# Altium PCB Digitalizador_RPi.PcbDoc (part 3 of 3) (continued)
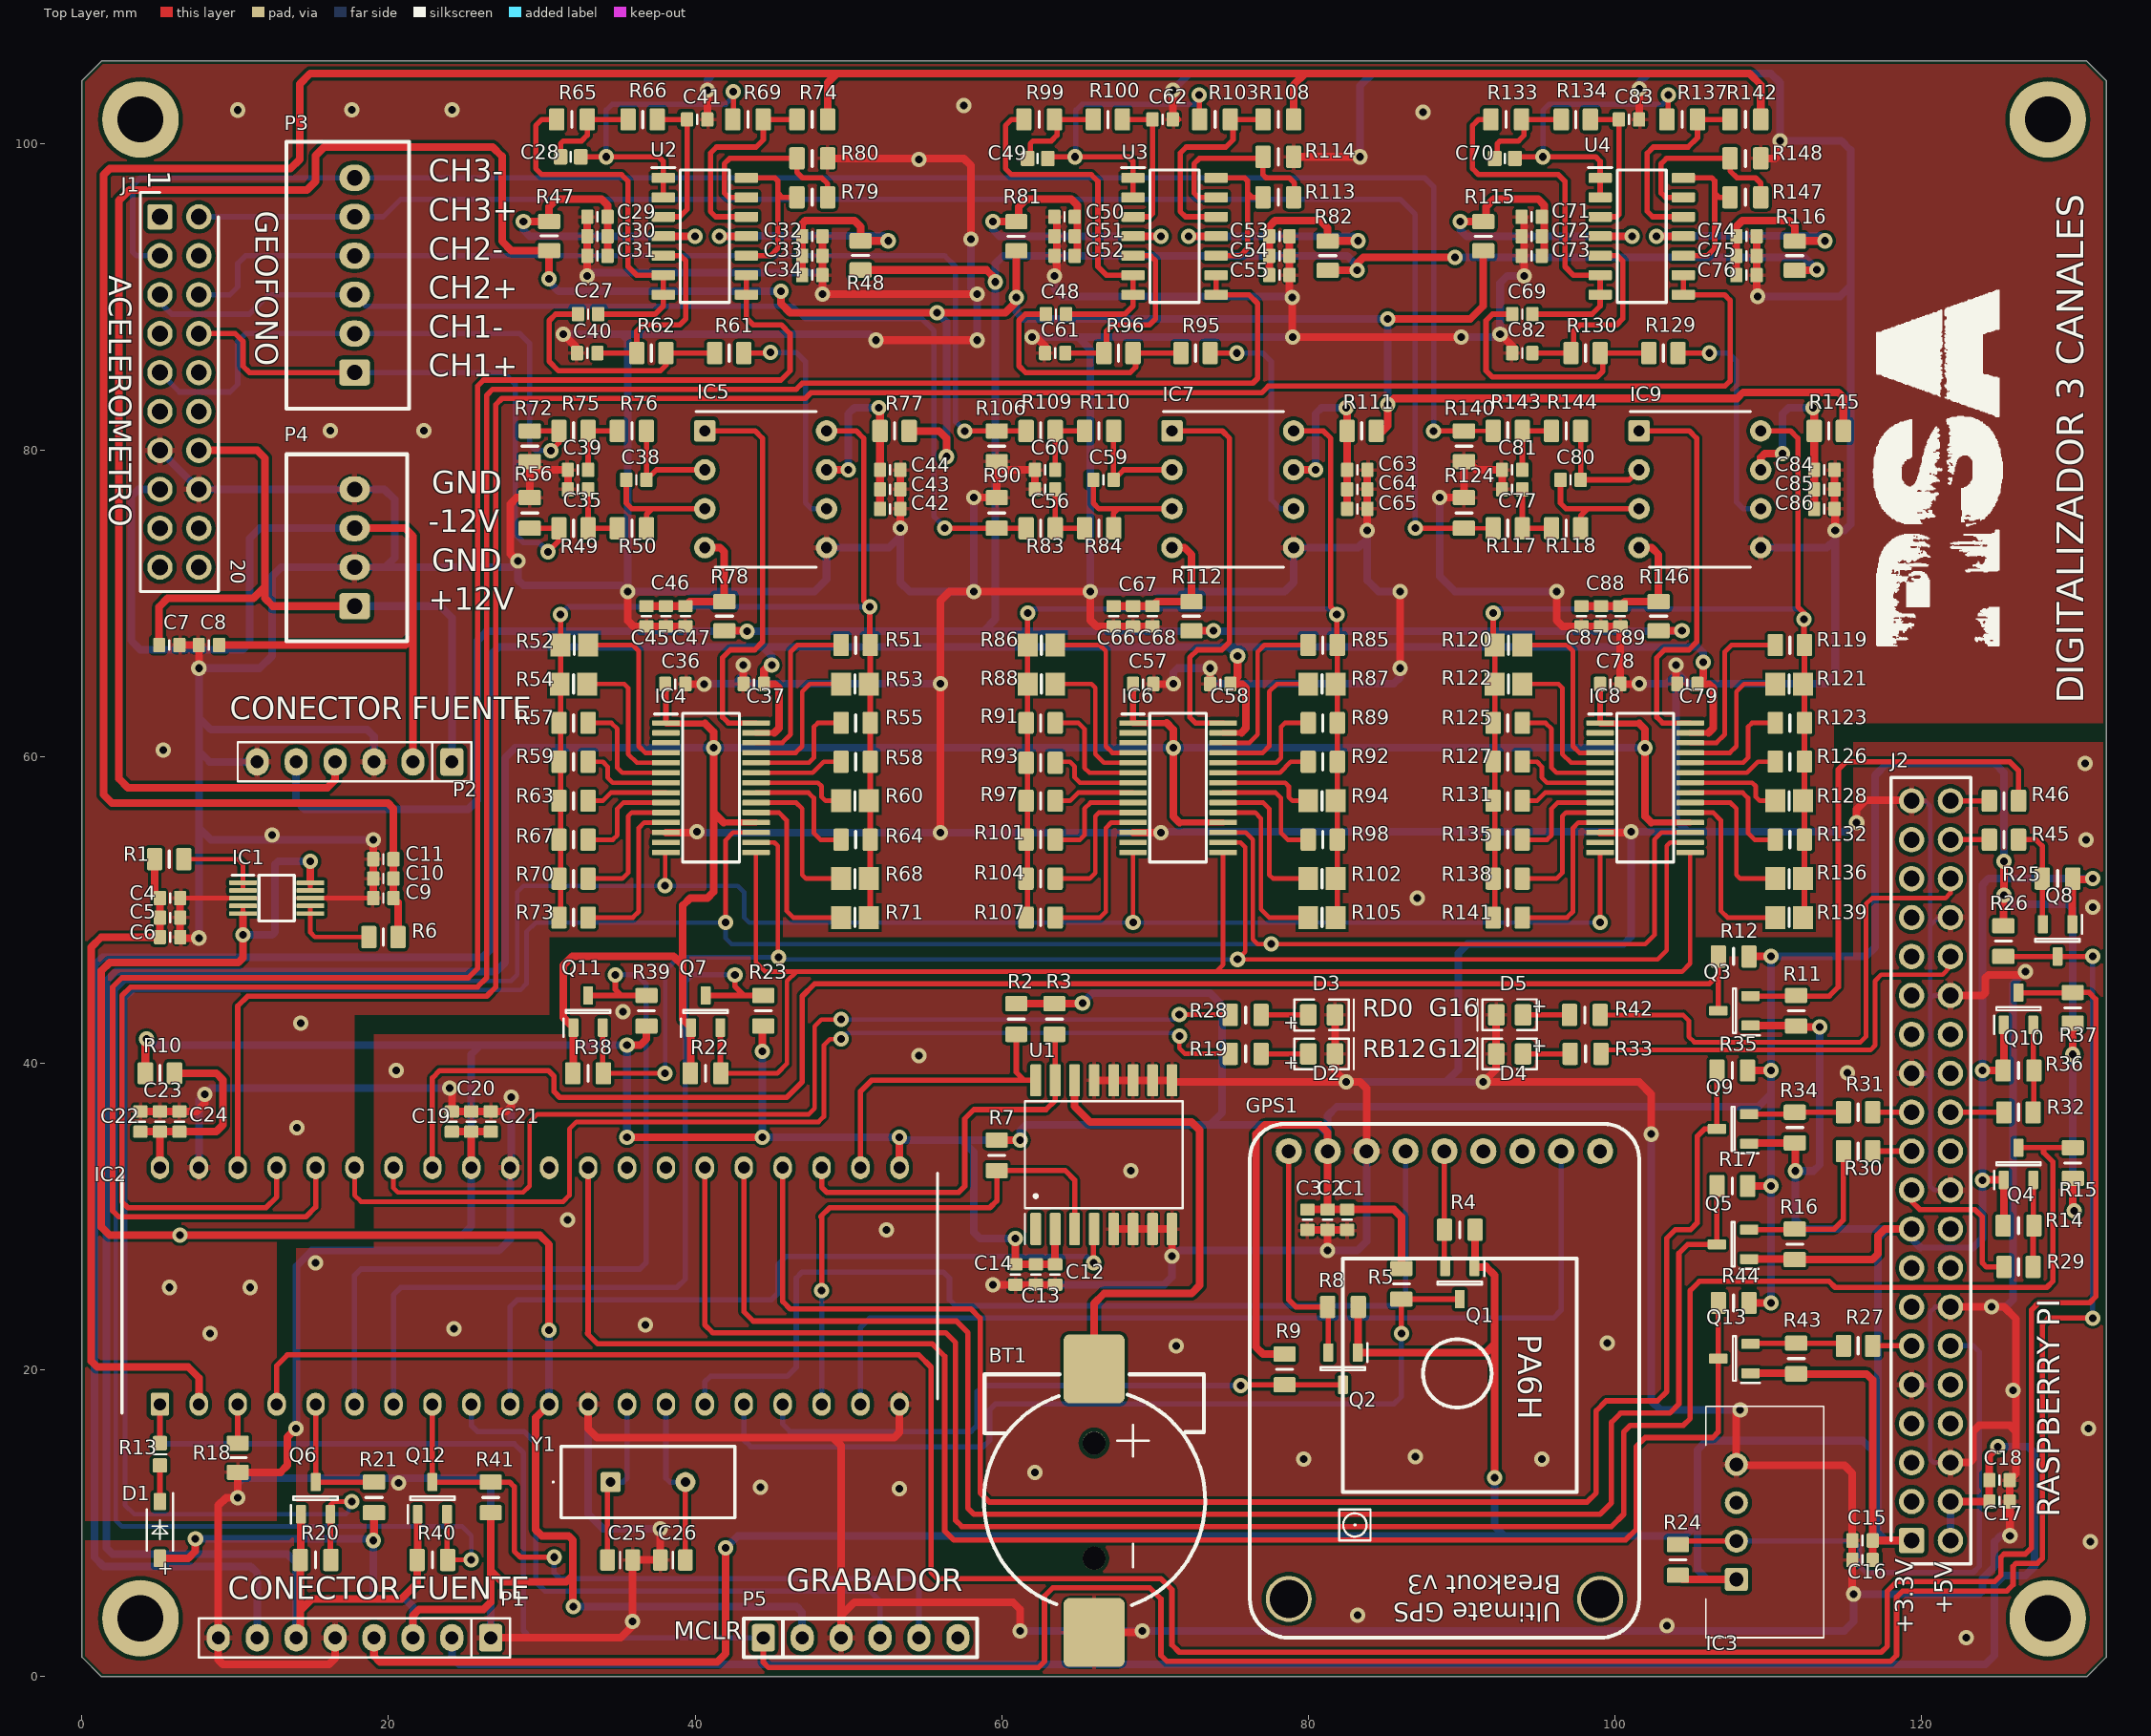
[diagram p0: Top Layer view]
## Nets (pads, with @x,y where several pads share a name; then routed paths per layer and width w, separated by ;. In a path a pad name is that pad's centre, name@x,y a point inside that pad or via, vN(x,y) a via of type N, cw(c..) or ccw(c..) an arc to the next point about the centre after c; other vN are vias at no path point) (continued)
  Top Layer w0.35: C70.2@93.672,99.162 v1(95.332,99.162) 98.77,99.162 99.06,98.872 U4.1@99.06,97.79 U4.2@99.06,96.52 ; v1(103.5,103.2) 103.5,101.682 103.532,101.65 R137.1@103.582,101.6
  Bottom Layer w0.35: v1(95.332,99.162) 95.332,102.2 95.732,102.6 103.132,102.6 103.5,102.968 v1(103.5,103.2)
NetC77_2: C77.2 R117.2 R118.1 | length 4.4
  Top Layer w0.35: C77.2@93.98,77.47 R117.2@93.98,74.93 R118.1@95.89,74.93
NetC81_1: C81.1 R143.2 R144.1 | length 4.4
  Top Layer w0.35: C81.1@93.98,78.74 R143.2@93.98,81.28 R144.1@95.89,81.28
NetC82_1: C82.1 R130.2 U4.5 | length 12.9
  Top Layer w0.35: C82.1@94.762,86.36 97.332,86.36 97.332,87.8 97.732,88.2 100.132,88.2 100.532,88.6 100.532,92.37 100.192,92.71 U4.5@99.06,92.71
NetC83_1: C83.1 R134.2 U4.3 | length 9.1
  Top Layer w0.35: R134.2@98.666,101.6 C83.1@100.28,101.6 100.28,95.398 100.132,95.25 U4.3@99.06,95.25
NetD1_1: D1.1 R13.2 | length 2.4
  Top Layer w0.35: D1.1@5.08,11.43 R13.2@5.08,13.79
NetD2_2: D2.2 R19.2 | length 3.1
  Top Layer w0.35: R19.2@76.93,40.64 D2.2@80.01,40.64
NetD3_2: D3.2 R28.2 | length 3.1
  Top Layer w0.35: R28.2@76.93,43.18 D3.2@80.01,43.18
NetD4_2: D4.2 R33.2 | length 3.1
  Top Layer w0.35: D4.2@94.03,40.64 R33.2@97.11,40.64
NetD5_2: D5.2 R42.2 | length 3
  Top Layer w0.35: D5.2@94.03,43.18 R42.2@97.06,43.18
NetIC1_1: IC1.1 IC1.2 R1.2 | length 5.7
  Top Layer w0.3: R1.2@6.64,53.34 10.16,53.34 10.5,53 IC1.1@10.5,51.8 IC1.2@10.5,51.3
NetIC1_6: IC1.6 IC1.7 R6.1 | length 5.7
  Top Layer w0.3: IC1.7@14.9,50.3 IC1.6@14.9,49.8 14.9,48.56 15.2,48.26 R6.1@18.71,48.26
NetIC2_3: IC2.3 R18.2 | length 2.5
  Top Layer w0.35: R18.2@10.16,15.24 IC2.3@10.16,17.78
NetIC2_34: IC2.34 R28.1 | length 66.1
  Top Layer w0.3: IC2.34@20.32,33.21 20.32,31.89 20.61,31.6 28.78,31.6 29.2,32.02 29.2,36.2 29.7,36.7 47.42,36.7 47.8,37.08 47.8,42.44 48.24,42.88 v1@49.15,42.88 ; v1(71.6,43.2) 74.91,43.2 R28.1@74.93,43.18
  Bottom Layer w0.3: v1(49.53,42.88) 71.28,42.88 v1(71.6,43.2)
NetIC2_35: IC2.35 R19.1 | length 70
  Top Layer w0.3: IC2.35@17.78,33.21 17.78,31.42 18.2,31 31.4,31 31.8,31.4 31.8,35.74 32.26,36.2 48.06,36.2 48.4,36.54 48.4,41.2 48.8,41.6 v1(49.53,41.6) ; v1(71.604,41.8) 71.604,41 71.964,40.64 R19.1@74.93,40.64
  Bottom Layer w0.3: v1(49.53,41.6) 49.93,42 71.404,42 v1(71.604,41.8)
NetIC3_2: IC3.2 J2.12 R24.1 | length 37.5
  Top Layer w0.35: R24.1@104.14,8.62 104.37,8.85 IC3.2@107.95,8.85
  Bottom Layer w0.35: IC3.2@107.95,8.85 115.55,8.85 116,8.4 116,7.2 116.4,6.8 123.4,6.8 123.8,7.2 123.8,21.2 123.41,21.59 J2.12@121.92,21.59
NetIC4_4: IC4.4 R52.2 | length 11.6
  Top Layer w0.3: R52.2@33.02,67.31 35.93,67.31 36.322,66.918 36.322,60.706 36.748,60.28 IC4.4@38.1,60.28
NetIC4_5: IC4.5 R54.2 | length 9.8
  Top Layer w0.3: R54.2@32.97,64.77 35.38,64.77 35.634,64.516 35.634,60.198 36.202,59.63 IC4.5@38.1,59.63
NetIC4_6: IC4.6 R57.2 | length 7.9
  Top Layer w0.3: R57.2@33.02,62.23 34.544,62.23 34.93,61.844 34.93,59.304 35.254,58.98 IC4.6@38.1,58.98
NetIC4_7: IC4.7 R59.2 | length 6.1
  Top Layer w0.3: R59.2@33.02,59.69 33.986,59.69 34.29,59.386 34.29,58.674 34.634,58.33 IC4.7@38.1,58.33
NetIC4_8: IC4.8 R63.2 | length 5.3
  Top Layer w0.3: R63.2@33.02,57.15 33.982,57.15 34.512,57.68 IC4.8@38.1,57.68
NetIC4_9: IC4.9 R67.2 | length 7.1
  Top Layer w0.3: R67.2@33.02,54.61 34.634,54.61 34.93,54.906 34.93,56.642 35.318,57.03 IC4.9@38.1,57.03
NetIC4_10: IC4.10 R70.2 | length 9
  Top Layer w0.3: R70.2@33.02,52.07 35.254,52.07 35.634,52.45 35.634,56.134 35.88,56.38 IC4.10@38.1,56.38
NetIC4_11: IC4.11 R73.2 | length 10.9
  Top Layer w0.3: R73.2@33.02,49.53 35.946,49.53 36.322,49.906 36.322,55.372 36.68,55.73 IC4.11@38.1,55.73
NetIC4_19: IC4.19 R71.1 | length 11.9
  Top Layer w0.3: IC4.19@43.976,56.38 45.474,56.38 45.974,55.88 45.974,49.97 46.414,49.53 R71.1@49.53,49.53
NetIC4_20: IC4.20 R68.1 | length 10.1
  Top Layer w0.3: IC4.20@43.976,57.03 46.602,57.03 46.99,56.642 46.99,52.324 47.244,52.07 R68.1@49.53,52.07
NetIC4_21: IC4.21 R64.1 | length 8.2
  Top Layer w0.3: IC4.21@43.976,57.68 47.406,57.68 47.752,57.334 47.752,55.044 48.186,54.61 R64.1@49.53,54.61
NetIC4_22: IC4.22 R60.1 | length 6.4
  Top Layer w0.3: IC4.22@43.976,58.33 48.022,58.33 48.26,58.092 48.26,57.404 48.514,57.15 R60.1@49.53,57.15
NetIC4_23: IC4.23 R58.1 | length 5.8
  Top Layer w0.3: IC4.23@43.976,58.98 47.682,58.98 48.392,59.69 R58.1@49.53,59.69
NetIC4_24: IC4.24 R55.1 | length 7.8
  Top Layer w0.3: IC4.24@43.976,59.63 47.438,59.63 47.752,59.944 47.752,61.976 48.006,62.23 R55.1@49.53,62.23
NetIC4_25: IC4.25 R53.1 | length 9.5
  Top Layer w0.3: IC4.25@43.976,60.28 46.564,60.28 46.99,60.706 46.99,64.262 47.498,64.77 R53.1@49.53,64.77
NetIC4_26: IC4.26 R51.1 | length 11.4
  Top Layer w0.3: IC4.26@43.976,60.93 45.69,60.93 46.228,61.468 46.228,66.87 46.668,67.31 R51.1@49.53,67.31
NetIC5_6: IC5.6 R61.1 | length 15
  Top Layer w0.35: R61.1@43.18,86.36 v1@44.91,86.36
  Bottom Layer w0.35: v1(44.91,86.4) 46.6,86.4 47.2,85.8 47.2,76.6 47.6,76.2 IC5.6@48.58,76.2
NetIC6_4: IC6.4 R86.2 | length 11.6
  Top Layer w0.3: R86.2@63.5,67.31 66.41,67.31 66.802,66.918 66.802,60.706 67.228,60.28 IC6.4@68.58,60.28
NetIC6_5: IC6.5 R88.2 | length 9.8
  Top Layer w0.3: R88.2@63.45,64.77 65.86,64.77 66.114,64.516 66.114,60.198 66.682,59.63 IC6.5@68.58,59.63
NetIC6_6: IC6.6 R91.2 | length 7.9
  Top Layer w0.3: R91.2@63.5,62.23 65.024,62.23 65.41,61.844 65.41,59.304 65.734,58.98 IC6.6@68.58,58.98
NetIC6_7: IC6.7 R93.2 | length 6.1
  Top Layer w0.3: R93.2@63.5,59.69 64.466,59.69 64.77,59.386 64.77,58.674 65.114,58.33 IC6.7@68.58,58.33
NetIC6_8: IC6.8 R97.2 | length 5.3
  Top Layer w0.3: R97.2@63.5,57.15 64.462,57.15 64.992,57.68 IC6.8@68.58,57.68
NetIC6_9: IC6.9 R101.2 | length 7.1
  Top Layer w0.3: R101.2@63.5,54.61 65.114,54.61 65.41,54.906 65.41,56.642 65.798,57.03 IC6.9@68.58,57.03
NetIC6_10: IC6.10 R104.2 | length 9
  Top Layer w0.3: R104.2@63.5,52.07 65.734,52.07 66.114,52.45 66.114,56.134 66.36,56.38 IC6.10@68.58,56.38
NetIC6_11: IC6.11 R107.2 | length 10.9
  Top Layer w0.3: R107.2@63.5,49.53 66.426,49.53 66.802,49.906 66.802,55.372 67.16,55.73 IC6.11@68.58,55.73
NetIC6_19: IC6.19 R105.1 | length 11.9
  Top Layer w0.3: IC6.19@74.456,56.38 76.55,56.38 76.93,56 76.93,50.07 77.47,49.53 R105.1@80.01,49.53
NetIC6_20: IC6.20 R102.1 | length 10.1
  Top Layer w0.3: IC6.20@74.456,57.03 77.082,57.03 77.47,56.642 77.47,52.324 77.724,52.07 R102.1@80.01,52.07
NetIC6_21: IC6.21 R98.1 | length 8.2
  Top Layer w0.3: IC6.21@74.456,57.68 77.886,57.68 78.232,57.334 78.232,55.044 78.666,54.61 R98.1@80.01,54.61
NetIC6_22: IC6.22 R94.1 | length 6.4
  Top Layer w0.3: IC6.22@74.456,58.33 78.502,58.33 78.74,58.092 78.74,57.404 78.994,57.15 R94.1@80.01,57.15
NetIC6_23: IC6.23 R92.1 | length 5.8
  Top Layer w0.3: IC6.23@74.456,58.98 78.162,58.98 78.872,59.69 R92.1@80.01,59.69
NetIC6_24: IC6.24 R89.1 | length 7.8
  Top Layer w0.3: IC6.24@74.456,59.63 77.918,59.63 78.232,59.944 78.232,61.976 78.486,62.23 R89.1@80.01,62.23
NetIC6_25: IC6.25 R87.1 | length 9.5
  Top Layer w0.3: IC6.25@74.456,60.28 77.044,60.28 77.47,60.706 77.47,64.262 77.978,64.77 R87.1@80.01,64.77
NetIC6_26: IC6.26 R85.1 | length 11.4
  Top Layer w0.3: IC6.26@74.456,60.93 76.17,60.93 76.708,61.468 76.708,66.87 77.148,67.31 R85.1@80.01,67.31
NetIC7_6: IC7.6 R95.1 | length 14.7
  Top Layer w0.35: R95.1@73.832,86.36 v1(75.362,86.36)
  Bottom Layer w0.35: v1(75.362,86.36) 77.04,86.36 77.6,85.8 77.6,76.8 78.2,76.2 IC7.6@79.06,76.2
NetIC8_4: IC8.4 R120.2 | length 11.6
  Top Layer w0.3: R120.2@93.98,67.31 96.89,67.31 97.282,66.918 97.282,60.706 97.708,60.28 IC8.4@99.06,60.28
NetIC8_5: IC8.5 R122.2 | length 9.8
  Top Layer w0.3: R122.2@93.93,64.77 96.34,64.77 96.594,64.516 96.594,60.198 97.162,59.63 IC8.5@99.06,59.63
NetIC8_6: IC8.6 R125.2 | length 7.9
  Top Layer w0.3: R125.2@93.98,62.23 95.504,62.23 95.89,61.844 95.89,59.304 96.214,58.98 IC8.6@99.06,58.98
NetIC8_7: IC8.7 R127.2 | length 6.1
  Top Layer w0.3: R127.2@93.98,59.69 94.946,59.69 95.25,59.386 95.25,58.674 95.594,58.33 IC8.7@99.06,58.33
NetIC8_8: IC8.8 R131.2 | length 5.3
  Top Layer w0.3: R131.2@93.98,57.15 94.942,57.15 95.472,57.68 IC8.8@99.06,57.68
NetIC8_9: IC8.9 R135.2 | length 7.1
  Top Layer w0.3: R135.2@93.98,54.61 95.594,54.61 95.89,54.906 95.89,56.642 96.278,57.03 IC8.9@99.06,57.03
NetIC8_10: IC8.10 R138.2 | length 9
  Top Layer w0.3: R138.2@93.98,52.07 96.214,52.07 96.594,52.45 96.594,56.134 96.84,56.38 IC8.10@99.06,56.38
NetIC8_11: IC8.11 R141.2 | length 10.9
  Top Layer w0.3: R141.2@93.98,49.53 96.906,49.53 97.282,49.906 97.282,55.372 97.64,55.73 IC8.11@99.06,55.73
NetIC8_19: IC8.19 R139.1 | length 11.9
  Top Layer w0.3: IC8.19@104.936,56.38 106.434,56.38 106.934,55.88 106.934,49.97 107.374,49.53 R139.1@110.49,49.53
NetIC8_20: IC8.20 R136.1 | length 10.1
  Top Layer w0.3: IC8.20@104.936,57.03 107.562,57.03 107.95,56.642 107.95,52.324 108.204,52.07 R136.1@110.49,52.07
NetIC8_21: IC8.21 R132.1 | length 8.2
  Top Layer w0.3: IC8.21@104.936,57.68 108.366,57.68 108.712,57.334 108.712,55.044 109.146,54.61 R132.1@110.49,54.61
NetIC8_22: IC8.22 R128.1 | length 6.4
  Top Layer w0.3: IC8.22@104.936,58.33 108.982,58.33 109.22,58.092 109.22,57.404 109.474,57.15 R128.1@110.49,57.15
NetIC8_23: IC8.23 R126.1 | length 5.8
  Top Layer w0.3: IC8.23@104.936,58.98 108.642,58.98 109.352,59.69 R126.1@110.49,59.69
NetIC8_24: IC8.24 R123.1 | length 7.8
  Top Layer w0.3: IC8.24@104.936,59.63 108.398,59.63 108.712,59.944 108.712,61.976 108.966,62.23 R123.1@110.49,62.23
NetIC8_25: IC8.25 R121.1 | length 9.5
  Top Layer w0.3: IC8.25@104.936,60.28 107.524,60.28 107.95,60.706 107.95,64.262 108.458,64.77 R121.1@110.49,64.77
NetIC8_26: IC8.26 R119.1 | length 11.4
  Top Layer w0.3: IC8.26@104.936,60.93 106.65,60.93 107.188,61.468 107.188,66.87 107.628,67.31 R119.1@110.49,67.31
NetIC9_6: IC9.6 R129.1 | length 14.8
  Top Layer w0.35: R129.1@104.312,86.36 v1(106.2,86.36)
  Bottom Layer w0.35: v1(106.2,86.36) 107.44,86.36 107.95,85.85 107.95,76.65 108.4,76.2 IC9.6@109.54,76.2
NetJ2_11: J2.11 R27.2 | length 2.5
  Top Layer w0.35: R27.2@116.84,21.59 J2.11@119.38,21.59
NetJ2_19: J2.19 R29.2 | length 10.3
  Top Layer w0.35: J2.19@119.38,31.75 119.38,31.02 119.92,30.48 123.52,30.48 124,30 124,27 124.265,26.735 R29.2@125.41,26.735
NetJ2_21: J2.21 R30.2 | length 2.5
  Top Layer w0.35: R30.2@116.84,34.29 J2.21@119.38,34.29
NetJ2_23: J2.23 R31.2 | length 2.5
  Top Layer w0.35: R31.2@116.84,36.83 J2.23@119.38,36.83
NetJ2_24: J2.24 R32.1 | length 3.5
  Top Layer w0.35: J2.24@121.92,36.83 121.93,36.82 R32.1@125.41,36.82
NetJ2_32: J2.32 R33.1 | length 28.3
  Top Layer w0.3: R33.1@99.11,40.64 99.364,40.894 116.694,40.894 117,41.2 117,45.4 117.4,45.8 121.4,45.8 121.92,46.32 J2.32@121.92,46.99
NetJ2_36: J2.36 R42.1 | length 34.3
  Top Layer w0.3: R42.1@99.06,43.18 104.47,43.18 104.85,42.8 104.85,41.75 105.2,41.4 116.05,41.4 116.4,41.75 116.4,50.4 116.8,50.8 121.6,50.8 121.92,51.12 J2.36@121.92,52.07
NetJ2_38: J2.38 R45.1 | length 2.5
  Top Layer w0.35: J2.38@121.92,54.61 R45.1@124.46,54.61
NetJ2_40: J2.40 R46.1 | length 2.5
  Top Layer w0.35: J2.40@121.92,57.15 R46.1@124.46,57.15
NetR69_2: R69.2 R74.2 U2.12 | length 13.6
  Top Layer w0.35: U2.12@43.352,95.25 41.35,95.25 41,95.6 41,99.4 41.4,99.8 43.976,99.8 44.45,100.274 R69.2@44.45,101.6 R74.2@46.65,101.6
NetR79_1: R79.1 R80.2 U2.13 | length 12.5
  Top Layer w0.35: U2.13@43.352,96.52 42.19,96.52 41.91,96.8 41.91,98.71 42.26,99.06 R80.2@46.65,99.06 46.65,98.15 47.01,97.79 48.26,97.79 48.65,97.4 R79.1@48.65,96.52
NetR79_2: R79.2 U2.10 U2.14 | length 10.1
  Top Layer w0.35: U2.10@43.352,92.71 44.91,92.71 45.4,93.2 45.4,96.8 ; U2.14@43.352,97.79 45.21,97.79 45.4,97.6 45.4,96.8 ; R79.2@46.65,96.52 45.68,96.52 45.4,96.8
NetR103_2: R103.2 R108.2 U3.12 | length 13.6
  Top Layer w0.35: U3.12@74.004,95.25 72.002,95.25 71.652,95.6 71.652,99.4 72.052,99.8 74.628,99.8 75.102,100.274 75.102,101.6 R108.2@77.302,101.6
NetR113_1: R113.1 R114.2 U3.13 | length 12.5
  Top Layer w0.35: U3.13@74.004,96.52 72.842,96.52 72.562,96.8 72.562,98.71 72.912,99.06 77.06,99.06 77.06,98 77.27,97.79 78.772,97.79 79.111,97.451 79.111,96.711 R113.1@79.302,96.52
NetR113_2: R113.2 U3.10 U3.14 | length 10.1
  Top Layer w0.35: U3.10@74.004,92.71 75.562,92.71 76.052,93.2 76.052,96.8 ; U3.14@74.004,97.79 75.862,97.79 76.052,97.6 76.052,96.8 ; R113.2@77.302,96.52 76.332,96.52 76.052,96.8
NetR137_2: R137.2 R142.2 U4.12 | length 13.6
  Top Layer w0.35: U4.12@104.484,95.25 102.482,95.25 102.132,95.6 102.132,99.4 102.532,99.8 104.8,99.8 105.41,100.41 R137.2@105.41,101.6 R142.2@107.54,101.6 R142.2@107.782,101.6
NetR147_1: R147.1 R148.2 U4.13 | length 12.2
  Top Layer w0.35: U4.13@104.484,96.52 103.322,96.52 103.042,96.8 103.042,98.71 103.392,99.06 R148.2@107.54,99.06 107.54,98.242 107.992,97.79 109.2,97.79 109.54,97.45 R147.1@109.54,96.52
NetR147_2: R147.2 U4.10 U4.14 | length 10.1
  Top Layer w0.35: U4.10@104.484,92.71 106.042,92.71 106.532,93.2 106.532,96.8 ; U4.14@104.484,97.79 106.342,97.79 106.532,97.6 106.532,96.8 ; R147.2@107.782,96.52 106.812,96.52 106.532,96.8
OSC1: C25.2 IC2.13 Y1.1 | length 11.2
  Top Layer w0.35: C25.2@34.29,7.62 34.29,12.5 Y1.1@34.49,12.7
  Bottom Layer w0.35: Y1.1@34.49,12.7 35.306,12.7 35.56,12.954 IC2.13@35.56,17.78
OSC2: C26.2 IC2.14 Y1.2 | length 11.3
  Top Layer w0.35: C26.2@39.37,7.62 Y1.2@39.37,12.7
  Bottom Layer w0.35: IC2.14@38.1,17.78 38.1,12.954 38.354,12.7 Y1.2@39.37,12.7
PGC_A3_5V: IC2.8 P5.5 Q12.3 R41.2 | length 46.1
  Top Layer w0.35: IC2.8@22.86,17.78 Q12.3@22.86,12.7 R41.2@26.67,12.7 27.9,12.7 28.2,12.4 28.2,8.2 28.6,7.8 v1(30.8,7.8)
  Bottom Layer w0.35: v1(30.8,7.8) 30.8,6.77 31.17,6.4 54.2,6.4 54.61,5.99 P5.5@54.61,2.54
PGD: IC2.9 P5.4 | length 40.5
  Bottom Layer w0.35: IC2.9@25.4,17.78 25.4,16.4 25.8,16 28.84,16 29.6,15.24 29.6,6.2 30.2,5.6 51.4,5.6 52.07,4.93 P5.4@52.07,2.54
PIN_EXTRA_3.3V: Q3.2 R11.2 R46.2 | length 34.4
  Top Layer w0.35: Q3.2@108.87,44.41 111.81,44.41 R11.2@111.85,44.45 111.89,44.41 114.01,44.41 114.6,45 114.6,59.2 115.09,59.69 125.8,59.69 126.36,59.13 R46.2@126.36,57.15
PIN_EXTRA_5V: IC2.33 Q3.3 R12.2 | length 101.4
  Top Layer w0.35: IC2.33@22.86,33.21 22.86,39.07 23.34,39.55 30.42,39.55 30.8,39.17 30.8,38.17 31.17,37.8 45.974,37.8 46.99,38.816 46.99,44.4 47.79,45.2 106.17,45.2 106.77,45.8 ; Q3.3@106.77,43.45 106.77,45.8 ; R12.2@106.77,46.99 106.77,45.8
PPS_DS3231: IC2.18 R7.1 U1.3 | length 34.7
  Top Layer w0.35: v1(48.26,25.2) 48.26,29.96 48.2,30.02 48.78,30.6 59.236,30.6 59.69,31.054 R7.1@59.69,33.02 64.161,33.02 64.77,32.411 U1.3@64.77,29.21
  Bottom Layer w0.35: v1@48.2,25.2 48.26,25.14 IC2.18@48.26,17.78
PPS_GPS_3.3V: GPS1.0 Q2.2 R8.2 | length 15.4
  Top Layer w0.35: GPS1.0@78.74,34.29 78.74,24.59 79.2,24.13 R8.2@81.28,24.13 81.32,24.09 Q2.2@81.32,21.15
PPS_GPS_5V: IC2.17 Q2.3 R9.2 | length 40.6
  Top Layer w0.35: v1(75.6,19) 75.65,19.05 R9.2@78.47,19.05 Q2.3@82.28,19.05
  Bottom Layer w0.35: IC2.17@45.72,17.78 45.72,16.48 46.2,16 58,16 58.4,16.4 58.4,18.6 58.8,19 v1(75.6,19)
RES_1_1: IC4.28 IC5.1 | length 26.5
  Top Layer w0.35: IC5.1@40.64,81.28 43.92,81.28 44.4,80.8 44.4,67.51 43.89,67 42.31,67 41.8,66.49 41.8,62.6 42.17,62.23 IC4.28@43.976,62.23
RES_1_2: IC5.8 R51.2 R52.1 R53.2 R54.1 R55.2 R57.1 R58.2 R59.1 R60.2 R63.1 R64.2 R67.1 R68.2 R70.1 R71.2 R73.1 | length 74.3
  Top Layer w0.35: R73.1@31.12,49.53 31.22,49.63 R52.1@31.22,67.31 v1(31.22,69.3) ; IC5.8@48.58,81.28 50.52,81.28 51,80.8 51,70.2 v1(51.4,69.8) 51.4,67.34 R51.2@51.43,67.31 R55.2@51.43,62.23 R58.2@51.43,59.69 R64.2@51.43,54.61 51.43,49.63 R71.2@51.33,49.53
  Bottom Layer w0.35: v1(31.22,69.3) 31.72,69.8 v1(51.4,69.8)
RES_2_1: IC6.28 IC7.1 | length 26.5
  Top Layer w0.35: IC7.1@71.12,81.28 74.4,81.28 74.88,80.8 74.88,67.51 74.37,67 72.79,67 72.28,66.49 72.28,62.6 72.65,62.23 IC6.28@74.456,62.23
RES_2_2: IC7.8 R85.2 R86.1 R87.2 R88.1 R89.2 R91.1 R92.2 R93.1 R94.2 R97.1 R98.2 R101.1 R102.2 R104.1 R105.2 R107.1 | length 74.5
  Top Layer w0.35: R107.1@61.6,49.53 61.7,49.63 R88.1@61.7,64.77 R86.1@61.7,67.31 v1(61.7,69.4) ; IC7.8@79.06,81.28 81,81.28 81.48,80.8 81.48,69.8 81.88,69.4 v1(81.88,69.3) 81.88,67.34 R85.2@81.91,67.31 R89.2@81.91,62.23 R92.2@81.91,59.69 R98.2@81.91,54.61 81.91,49.63 R105.2@81.81,49.53
  Bottom Layer w0.35: v1(61.7,69.4) 61.968,69.668 81.612,69.668 81.88,69.4 v1(81.88,69.3)
RES_3_1: IC8.28 IC9.1 | length 26.5
  Top Layer w0.35: IC9.1@101.6,81.28 104.88,81.28 105.36,80.8 105.36,67.51 104.85,67 103.27,67 102.76,66.49 102.76,62.6 103.13,62.23 IC8.28@104.936,62.23
RES_3_2: IC9.8 R119.2 R120.1 R121.2 R122.1 R123.2 R125.1 R126.2 R127.1 R128.2 R131.1 R132.2 R135.1 R136.2 R138.1 R139.2 R141.1 | length 75
  Top Layer w0.35: R141.1@92.08,49.53 92.18,49.63 R122.1@92.18,64.77 R120.1@92.18,67.31 92.08,67.41 v1(92.08,69.4) ; IC9.8@109.54,81.28 111.48,81.28 111.96,80.8 111.96,69.8 112.36,69.4 v1(112.36,69) 112.36,67.34 R119.2@112.39,67.31 R123.2@112.39,62.23 R126.2@112.39,59.705 R132.2@112.39,54.61 112.39,49.63 R139.2@112.29,49.53
  Bottom Layer w0.35: v1(92.08,69.4) 92.348,69.668 112.092,69.668 112.36,69.4 v1(112.36,69)
RST_DS3231: IC2.10 U1.4 | length 49.3
  Top Layer w0.35: v1(66,27) 66,29.17 U1.4@66.04,29.21
  Bottom Layer w0.35: IC2.10@27.94,17.78 27.94,24.14 28.4,24.6 45,24.6 45.4,25 45.4,26.88 45.952,27.432 65.568,27.432 v1(66,27)
RST_DSPIC_3.3V: Q8.2 R25.2 R45.2 | length 6.8
  Top Layer w0.35: R45.2@126.36,54.61 127.5,54.61 127.91,54.2 R25.2@127.91,52.07 127.91,49.13 Q8.2@127.95,49.09
RX_GPS: GPS1.3 IC2.15 | length 65
  Bottom Layer w0.35: IC2.15@40.64,17.78 40.64,19.24 41,19.6 46,19.6 46.6,20.2 46.6,26.01 46.99,26.4 56.2,26.4 56.6,26 56.6,24.6 57,24.2 85.76,24.2 86.36,24.8 GPS1.3@86.36,34.29
SCK_RPI_3.3V: Q9.2 R31.1 R34.2 | length 6.2
  Top Layer w0.35: Q9.2@108.78,36.7 111.63,36.7 R34.2@111.76,36.83 R31.1@114.94,36.83
SCK_RPI_5V: IC2.24 Q9.3 R35.2 | length 108
  Top Layer w0.35: IC2.24@45.72,33.21 45.72,24.48 46.2,24 58,24 58.6,23.4 58.6,12 59.2,11.4 98.2,11.4 98.8,12 98.8,17.35 99.45,18 102.8,18 103.41,18.61 103.41,28.614 103.956,29.16 104.95,29.16 105.4,29.61 105.4,35.264 105.876,35.74 Q9.3@106.68,35.74 R35.2@106.68,39.55
SCL_DS3231: IC2.22 R2.1 U1.16 | length 19.9
  Top Layer w0.35: IC2.22@50.8,33.21 50.8,38.2 51.51,38.91 61.49,38.91 ; R2.1@60.96,41.91 60.96,39.44 61.49,38.91 ; U1.16@62.23,38.91 61.8,38.91 61.49,38.91
SDA_DS3231: IC2.23 R3.1 U1.15 | length 26
  Top Layer w0.35: IC2.23@48.26,33.21 48.26,31.94 48.6,31.6 57.2,31.6 57.6,32 57.6,36.4 58.2,37 62.9,37 63.5,37.6 U1.15@63.5,38.91 63.5,41.86 R3.1@63.45,41.91
SIGNAL1: IC2.36 U2.8 U2.9 | length 122.4
  Top Layer w0.35: IC2.36@15.24,33.21 15.24,30.64 14.6,30 2.4,30 2,30.4 2,45 2.6,45.6 25.2,45.6 25.8,46.2 25.8,84.2 26.2,84.6 45.6,84.6 46.2,85.2 46.2,87.63 45.63,88.2 43.8,88.2 43.352,88.648 U2.8@43.352,90.17 U2.9@43.352,91.44
SIGNAL2: IC2.37 U3.8 U3.9 | length 148.1
  Top Layer w0.35: IC2.37@12.7,33.21 12.7,31.3 12,30.6 3,30.6 2.6,31 2.6,44.43 3.17,45 25.8,45 26.4,45.6 26.4,83.602 26.798,84 46.6,84 47,84.4 76.4,84.4 76.708,84.708 76.708,89.6 76.138,90.17 U3.8@74.004,90.17 U3.9@74.004,91.44
SIGNAL3: IC2.38 U4.8 U4.9 | length 156.8
  Top Layer w0.35: IC2.38@10.16,33.21 10.16,43.76 10.8,44.4 26.4,44.4 27,45 27,76.596 26.998,76.598 26.998,77.262 27,77.264 27,83 27.4,83.4 47.19,83.4 47.555,83.765 76.965,83.765 77.4,84.2 107.2,84.2 107.54,84.54 107.54,89.8 107.17,90.17 U4.8@104.484,90.17 U4.9@104.484,91.44
TX_GPS_3.3V: GPS1.4 Q1.2 R4.2 | length 7.6
  Top Layer w0.35: GPS1.4@88.9,34.29 R4.2@88.9,29.16 88.9,26.775 Q1.2@88.94,26.735
TX_GPS_5V: IC2.16 Q1.3 R5.2 | length 58.1
  Top Layer w0.35: v1(86.09,22.4) R5.2@86.09,24.635 Q1.3@89.9,24.635
  Bottom Layer w0.35: IC2.16@43.18,17.78 43.18,15.46 43.64,15 58.8,15 59.22,15.42 59.22,17.42 59.6,17.8 85.602,17.8 86.09,18.288 v1(86.09,22.4)
VREF_+2.5V: C9.1 C10.1 C11.1 R6.2 R74.1 R108.1 R142.1 | length 191.1
  Top Layer w0.5: R6.2@20.61,48.26 20.61,50.51 C9.1@20.32,50.8 C10.1@20.32,52.07 C11.1@20.32,53.34 20.32,56.642 19.962,57 1.95,57 1.4,57.55 1.4,98 1.8,98.4 13.6,98.4 14.2,99 14.2,103.92 14.88,104.6 49.25,104.6 ; R74.1@48.65,101.6 48.65,104 49.25,104.6 ; R108.1@79.06,101.6 79.06,103.86 79.8,104.6 ; R142.1@109.54,101.6 109.54,103.86 108.8,104.6 79.8,104.6 ; 49.25,104.6 79.8,104.6
VREF_+5V: C4.1 C5.1 C6.1 IC2.2 R1.1 | length 46.2
  Top Layer w0.5: R1.1@4.74,53.34 4.74,51.14 C4.1@5.08,50.8 C5.1@5.08,49.53 C6.1@5.08,48.26 1.26,48.26 0.6,47.6 0.6,20.6 1,20.2 6.93,20.2 7.62,19.51 IC2.2@7.62,17.78
pads on no net: BT1. GPS1.5 GPS1.6 GPS1.8 GPS1.9 GPS1.10 IC2.27 IC2.28 IC2.30 IC3.3 IC4.2 IC4.3 IC4.13 IC6.2 IC6.3 IC6.13 IC8.2 IC8.3 IC8.13 J1.1 J1.4 J1.7 J1.10 J1.11 J1.12 J1.17 J1.18 J1.19 J1.20 J2.3 J2.5 J2.7 J2.8 J2.10 J2.13 J2.15 J2.16 J2.18 J2.22 J2.26 J2.27 J2.28 J2.29 J2.31 J2.33 J2.35 J2.37 P5.6 U1.1

## Polygon pours and split planes (outlines as drawn)
GND on Top Layer "PLANO_DIGI_TOP" (solid, remove dead copper, pour order 12): 132.08,60.96 115.57,60.96 115.57,46.99 115.56,47 31.75,47 31.75,41.91 19.05,41.91 19.05,27.94 13.97,27.94 13.97,9.367 13.493,8.89 0,8.89 0,1.27 1.27,0 130.81,0 132.08,1.27
GND on Top Layer "PLANO_ANAL_TOP" (solid, remove dead copper, pour order 6): 0,104.14 1.27,105.41 130.81,105.41 132.08,104.14 132.08,62.23 114.3,62.23 114.3,48.26 30.48,48.26 30.48,43.2 17.8,43.2 17.78,43.18 17.78,29.21 12.7,29.21 12.7,10.16 0,10.16
no net on Top Layer "NONET_L-01_P-001" (solid, pour order 2): 0,104.6
no net on Top Layer "NONET_L-01_P-001" (solid, pour order 0): 0,104.14
GND on Bottom Layer "PLANO_DIGI_BOTTOM" (solid, remove dead copper, pour order 14): 132.08,60.96 115.57,60.96 115.57,46.99 31.75,46.99 31.75,41.91 19.05,41.91 19.05,27.94 13.97,27.94 14,27.91 14,8.89 0,8.89 0,1.27 1.27,0 130.81,0 132.08,1.27
GND on Bottom Layer "PLANO_ANAL_BOTTOM" (solid, remove dead copper, pour order 8): 0,104.14 1.27,105.41 130.81,105.41 132.08,104.14 132.08,62.23 114.3,62.23 114.3,48.26 30.48,48.26 30.48,43.2 17.8,43.2 17.78,43.18 17.78,29.21 12.7,29.21 12.7,10.16 0,10.16

## Silkscreen, mask and mechanical layers (free items; w line width, h text height)
Top Overlay:
  drawing of 10 lines, arcs and shapes, not listed
  text "1" at 3.81,98.298 h2.5 r270
  text "CH3-" at 22.606,97.028 h2.5
  text "GEOFONO" at 10.837,95.65 h2.5 r270
  text "CH3+" at 22.606,94.488 h2.5
  text "CH2-" at 22.606,91.948 h2.5
  text "ACELEROMETRO" at 1.27,91.44 h2.5 r270
  text "CH2+" at 22.606,89.408 h2.5
  text "CH1-" at 22.606,86.868 h2.5
  text "CH1+" at 22.606,84.328 h2.5
  text "GND" at 22.806,76.708 h2.5
  text "-12V" at 22.606,74.168 h2.5
  text "20" at 9.398,72.898 h1.6 r270
  text "GND" at 22.806,71.628 h2.5
  text "+12V" at 22.606,69.088 h2.5
  text "DIGITALIZADOR 3 CANALES" at 131.18,63.5 h3 r90
  text "CONECTOR FUENTE" at 9.652,61.976 h2.5
  text "G16" at 87.884,42.672 h2
  text "RD0" at 83.566,42.655 h2
  text "RB12" at 83.566,40.015 h2
  text "G12" at 87.875,40.015 h2
  text "RASPBERRY PI" at 129.54,10.414 h2.5 r90
  text "GRABADOR" at 45.974,5.08 h2.5
  text "CONECTOR FUENTE" at 9.523,4.572 h2.5
  text "+5V" at 122.428,4.064 h2 r90
  text "+3.3V" at 119.888,2.794 h2 r90
  text "MCLR" at 38.608,2.032 h2
Mechanical 15:
  the board outline again, w0.4

## Text inside footprints (layer, text, board x,y; h text height)
D1: Top Overlay "+" at 4.9,6.35 h1.6
D2: Top Overlay "+" at 78.2,40.554 h1.6 r270
D3: Top Overlay "+" at 78.2,43.2 h1.6 r270
D4: Top Overlay "+" at 95.8,40.6 h1.6 r90
D5: Top Overlay "+" at 95.8,43.2 h1.6 r90
GPS1: Top Overlay "Ultimate GPS / Breakout v3" at 96.52,6.604 h1.2 r180; Top Overlay "PA6H" at 93.726,22.352 h1.52 r270